# KiCad board FP Interface Card.kicad_pcb (continued)
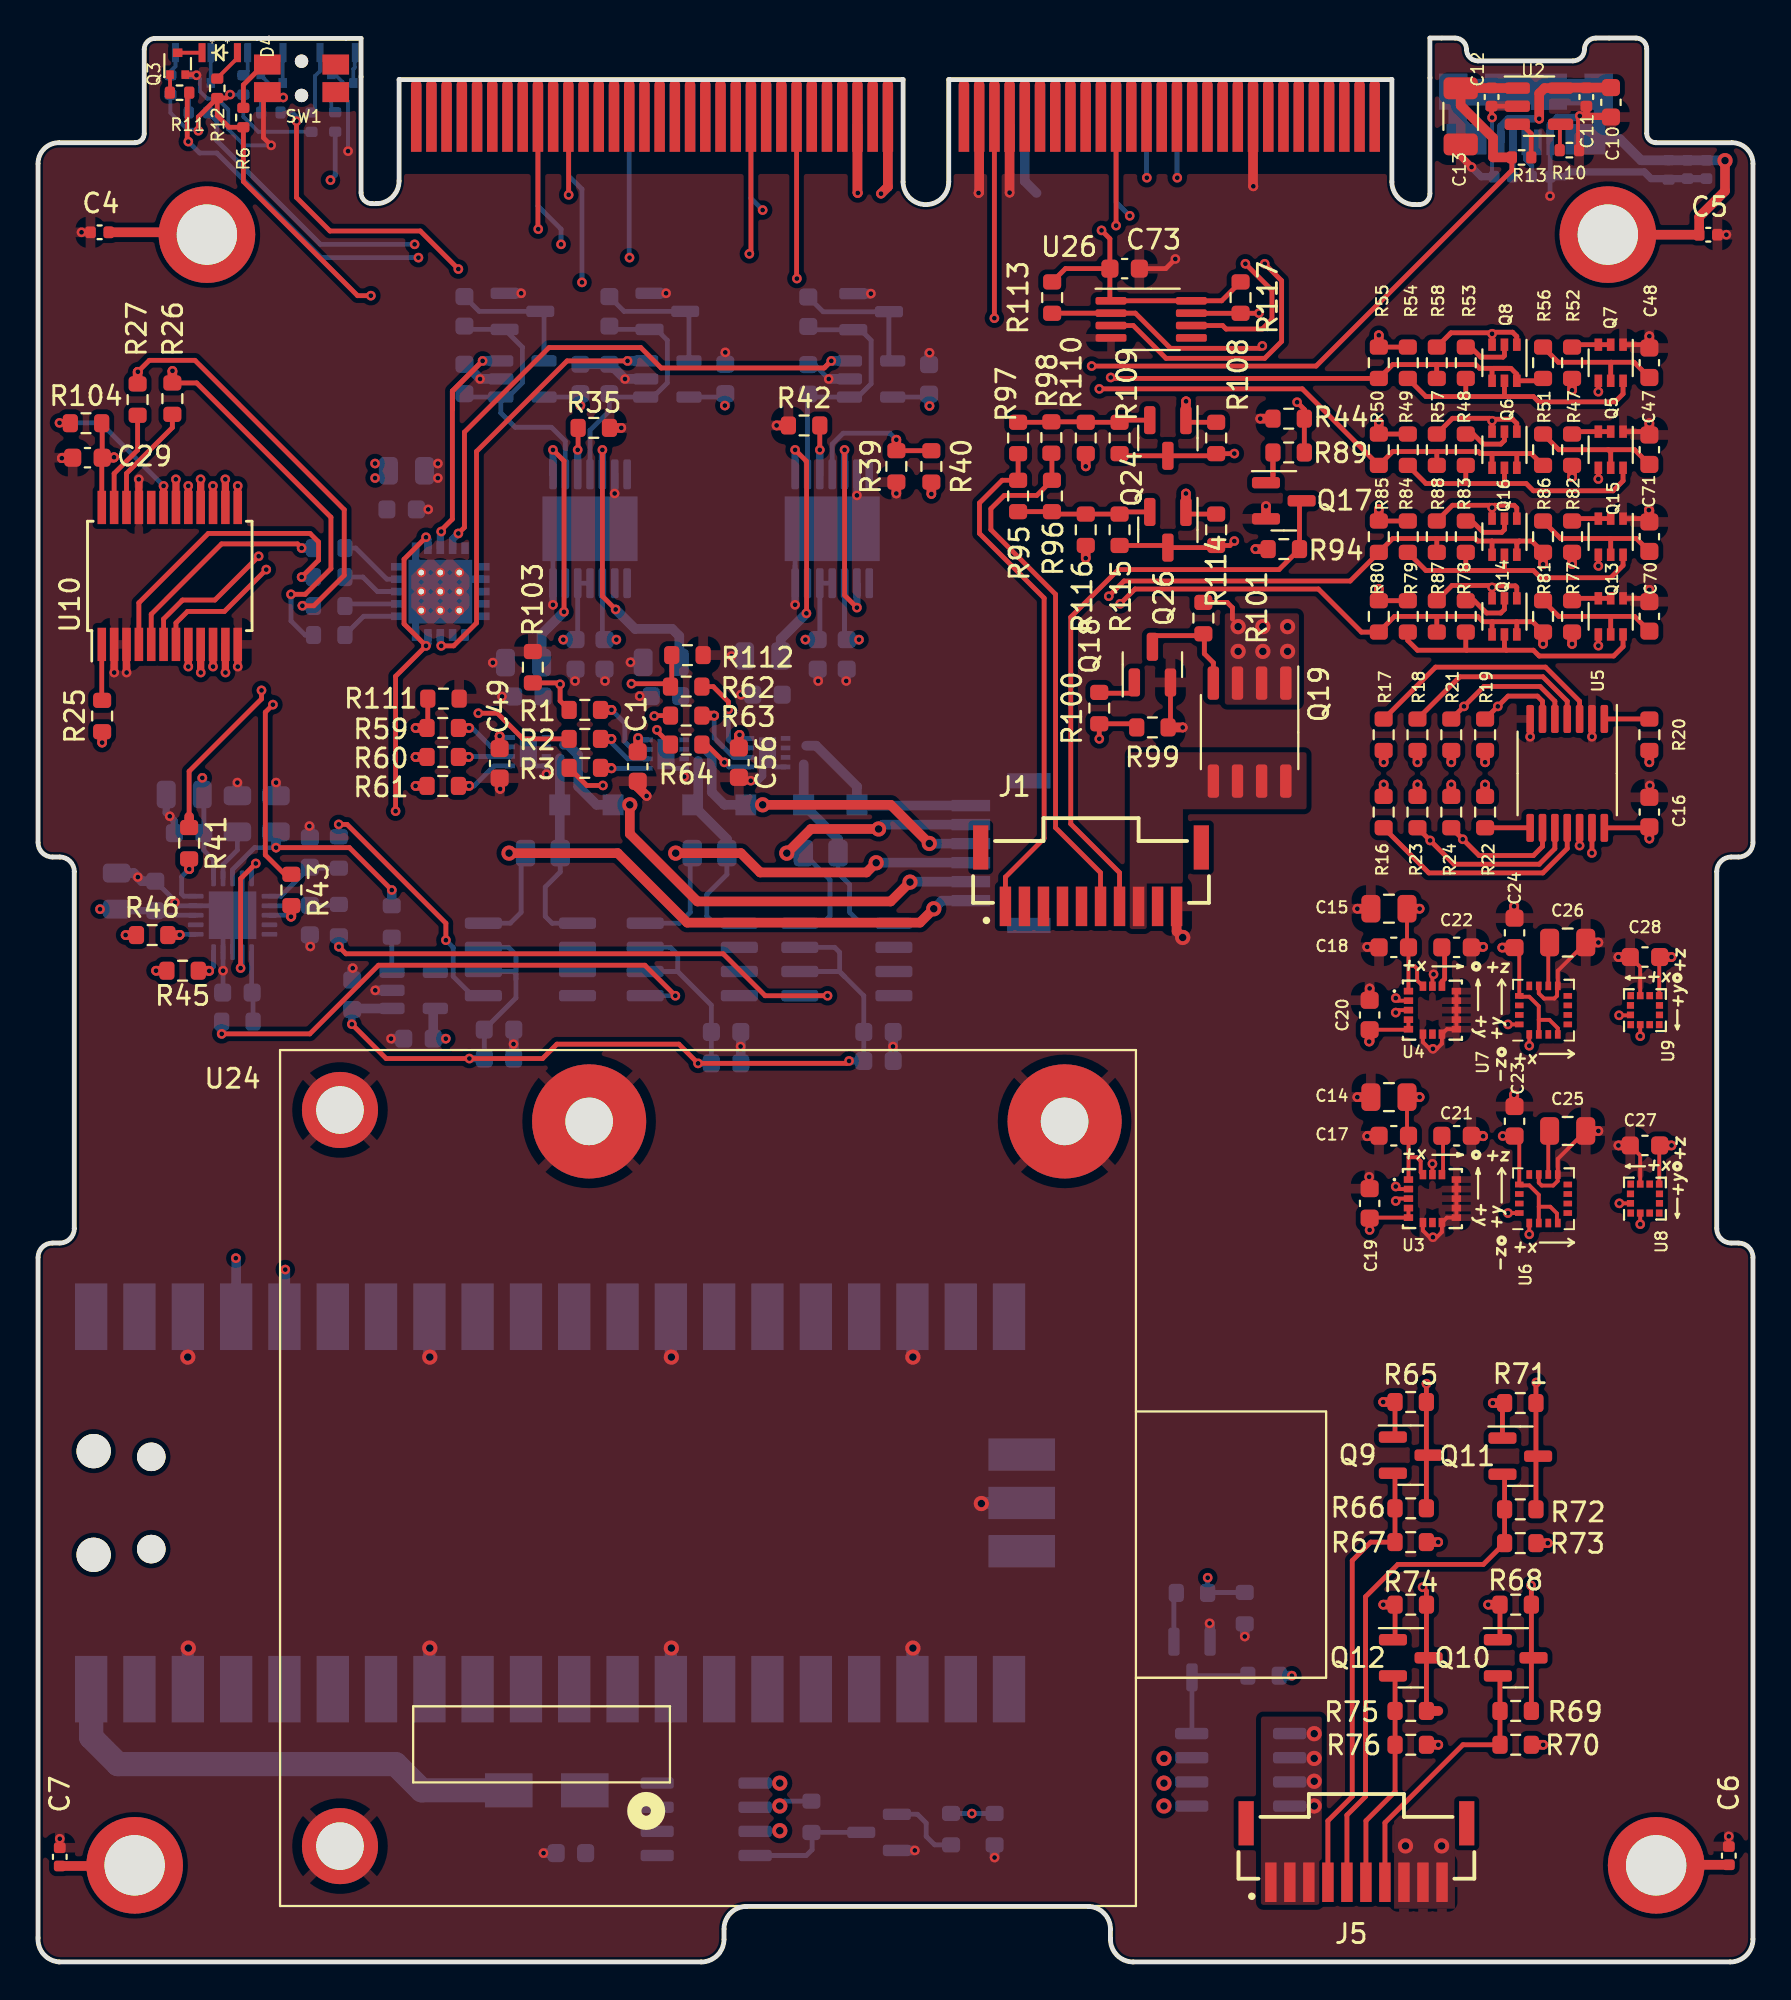
[diagram p0: board, top side]
## Routing (per net, layer and track width the routed paths; a pad name or vN(x,y) marks a point on that pad's centre or on a via; arc(x,y) is an arc through that point) (continued)
/IMU/SCL_IMU2: length 53.1
  Top w0.203: U8.12 v2(83.15,39.88) ; U6.1 v2(78.41,38.25) ; U3.2 71.52,40.63
  Top w0.254: U5.10 79.75,58.53 78.93,57.71 74.45,57.71 v2(73.2,58.96) R23.2
  In2.Cu w0.203: v2(83.15,39.88) 81.52,38.25 v2(78.41,38.25) 78.41,40.1 77.74,40.77 v2(71.39,40.77) 69.61,40.77 68.31,42.06 68.31,52.68 71.64,56.01 72.81,56.01 75.63,58.83 75.63,59.21 75.12,59.72 73.95,59.72 v2(73.2,58.96)
/IMU/SDA_IMU1: length 44
  Top w0.203: U9.2 v2(84.24,48.67) ; v2(71.39,49.91) 71.51,50.04 U4.3 ; U7.16 v2(77.29,49.29)
  Top w0.254: R21.2 v2(74.98,66.01) 76.02,67.06 78.98,67.06 79.75,66.28 U5.5
  In2.Cu w0.203: v2(84.24,48.67) 83.15,47.57 78.12,47.57 77.29,48.4 v2(77.29,49.29) 76.67,49.91 v2(71.39,49.91) 71.36,49.91 70.8,50.47 70.8,51 77.1,57.3 77.1,63.88 v2(74.98,66.01)
/IMU/SDA_IMU2: length 48.3
  Top w0.203: U8.2 v2(84.24,38.79) ; 71.51,40.13 U3.3 ; U6.16 v2(77.29,39.37)
  Top w0.254: U5.9 79.1,58.64 78.63,58.17 75.77,58.17 v2(74.91,59.02) R24.2
  In2.Cu w0.203: v2(84.24,38.79) 83.02,37.57 77.97,37.57 77.29,38.24 v2(77.29,39.37) 76.66,40 v2(71.39,40) 69.61,40 67.83,41.78 67.83,52.83 74.02,59.02 v2(74.91,59.02)
/Level Shifter 5/io_hi: length 6.8
  Top w0.254: Q24.2 56.98,81.06 ; R109.2 R110.2 ; R98.1 55.06,80.97 ; R97.1 53.26,80.94
/Level Shifter 6/io_hi: length 6.7
  Top w0.254: 53.44,76.12 R116.2 R115.2 ; R95.1 R96.1 ; Q26.2 56.98,76.23
/Magnetotorquer Drivers/ADC_ALERT/BUSY: length 25.3
  Top w0.254: R43.1 12.97,57.18 11.95,58.2 11.95,65.7 v2(12.35,66.1)
  Top w0.381: U10.18 7.25,77.94
  In2.Cu w0.254: v2(7.25,77.95) 7.25,73.6 12.35,68.5 v2(12.35,66.1)
/Magnetotorquer Drivers/DRV_EN_X: length 16.5
  Top w0.381: U10.9 8.55,67.79
  Top w0.508: R61.1 v2(19.85,61.83)
  In2.Cu w0.254: v2(8.56,67.79) 8.56,66.59 10.9,64.25 17.43,64.25 v2(19.85,61.83)
/Magnetotorquer Drivers/DRV_EN_Y: length 42.1
  Top w0.254: R3.1 28.85,61.85 v2(29.7,61.85)
  Top w0.381: U10.13 10.5,77.6 v2(10.5,77.6)
  In2.Cu w0.254: v2(29.7,61.85) 30.4,61.85 31.35,62.8 33,62.8 33.8,63.6 33.8,66.7 31.59,68.91 26.69,68.91 25.95,69.65 23.35,69.65 22.31,68.61 15.69,68.61 10.5,73.8 10.5,77.6 v2(10.5,77.6)
/Magnetotorquer Drivers/DRV_EN_Z: length 34.5
  Top w0.254: R64.1 32.54,64.71 v2(32.54,64.77)
  Top w0.381: U10.16 8.55,77.94
  In2.Cu w0.254: v2(32.54,64.77) 32.3,64.77 32.07,65 27.8,65 25.64,67.16 15.09,67.16 8.55,73.7 v2(8.55,77.95)
/Magnetotorquer Drivers/DRV_PH_X: length 20.6
  Top w0.381: v2(7.9,68.1) 7.9,68.1 U10.8
  Top w0.508: R60.1 v2(19.85,63.35)
  In2.Cu w0.254: v2(19.85,63.35) 20.65,62.55 20.65,61.6 20.15,61.1 19.65,61.1 17,63.75 10.7,63.75 7.9,66.55 v2(7.9,68.1)
/Magnetotorquer Drivers/DRV_PH_Y: length 21.5
  Top w0.254: v2(23.15,65.65) 24.15,65.65 25.5,64.3 R2.1
  Top w0.381: U10.11 9.85,67.79
  In2.Cu w0.254: v2(9.86,67.79) 9.86,67.19 11.55,65.5 23,65.5 v2(23.15,65.65)
/Magnetotorquer Drivers/DRV_PH_Z: length 32.5
  Top w0.254: v2(32.4,65.5) 32.42,65.52 R63.1
  Top w0.381: v2(9.2,77.6) 9.2,77.6 U10.15
  In2.Cu w0.254: v2(9.2,77.6) 9.2,73.69 15.28,67.61 25.94,67.61 27.1,66.45 30.55,66.45 31.42,65.58 32.32,65.58 v2(32.4,65.5)
/Magnetotorquer Drivers/Full Bridge 1/OUT2: length 10.5
  Bottom w0.254: U17.1 28.36,54.61 27.03,54.61 26.67,54.97 26.67,56.51 27.46,57.3 R32.1
  Bottom w0.508: 27.44,60.84 27.44,63.28 ; D6.1 27.43,58.32
/Magnetotorquer Drivers/Full Bridge 2/OUT2: length 10.9
  Bottom w0.254: U18.1 35.54,54.61 35.16,54.99 35.16,56.12 36.22,57.18 R33.1
  Bottom w0.508: D1.1 36.22,59.03 R33.1 ; 34.71,61.13 34.71,63.14
/Magnetotorquer Drivers/Full Bridge 3/OUT2: length 11.3
  Bottom w0.254: R34.1 42.06,57.25 42.67,56.64 42.67,55.18 43.24,54.61 U20.1
  Bottom w0.508: R34.1 42.06,59.03 D7.1 40.26,62.96
/Magnetotorquer Drivers/unused: length 11.1
  Top w0.254: v2(43.06,71.2) 42.41,71.85 v2(42.41,79.49)
  Bottom w0.381: v2(42.41,79.49) U15.5 ; U15.9 v2(43.06,71.2)
/Magnetotorquer Drivers/X_Drive: length 13.2
  Top w0.254: v2(27.65,70.98) 27.66,70.98 27.66,78.91 v2(27.07,79.49)
  Bottom w0.381: v2(27.07,79.49) U12.1
  Bottom w0.508: v2(27.65,70.98) 26.48,69.8 C51.1
/Magnetotorquer Drivers/X_sen: length 13.4
  Top w0.254: v2(21.45,53.72) 21.45,54.61 16.25,59.8 v2(15.81,59.8)
  Bottom w0.254: v2(15.81,59.8) 15.82,59.8 R36.2 ; v2(21.45,53.72) 21.83,53.33 21.83,51.81 22.84,50.8 23.42,50.8
/Magnetotorquer Drivers/X_Vs_2.5V: length 15
  Top w0.254: 21.79,81.61 21.79,82.59 23.37,84.17 v2(23.38,84.17) 21.79,82.58 21.79,81.61 ; 21.79,81.61 21.79,75.85 21.2,75.27 v2(21.2,75.2)
  Bottom w0.381: v2(21.2,75.2) 21.15,75.15 21.15,74.29
  Bottom w0.508: v2(23.38,84.17) U22.3
/Magnetotorquer Drivers/X_Vs_5V: length 14.5
  Bottom w0.254: U12.2 27.72,79.95 26.99,80.68 25.09,80.68 24.33,81.44 U22.1 22.6,82.27 ; 22.6,85.83 RN2.1 25.47,84.89 25.47,83.02 24.72,82.27
/Magnetotorquer Drivers/Y_Drive: length 15.3
  Top w0.254: v2(29.67,79.49) 29.67,71.8 v2(30.37,71.1)
  Bottom w0.381: v2(29.67,79.49) U12.5
  Bottom w0.508: C3.1 33.72,69.71 33.35,70.08 31.4,70.08 v2(30.37,71.1)
/Magnetotorquer Drivers/Y_sen: length 28.8
  Top w0.254: v2(9.66,48.79) 14.29,48.79 17.9,52.4 31.91,52.4 v2(33.51,50.8)
  Bottom w0.254: v2(33.51,50.8) 33.51,50.8 U18.5
  Bottom w0.381: 9.66,49.36 v2(9.66,48.79)
  Bottom w0.508: R37.2 v2(9.66,48.79)
/Magnetotorquer Drivers/Y_Vs_2.5V: length 22.9
  Top w0.254: v2(31,84.17) 27.82,84.17 23.06,79.41 23.06,70.39 21.85,69.19 v2(21.2,69.19)
  Bottom w0.381: v2(21.2,69.19) 21.15,69.24 21.15,69.79
  Bottom w0.508: U21.3 v2(31,84.17)
/Magnetotorquer Drivers/Y_Vs_5V: length 12.4
  Bottom w0.254: C63.1 30.04,81.54 29.02,80.52 U12.4 ; 32.34,82.27 33.09,83.02 33.09,85.25 32.51,85.83 ; RN1.1 30.22,85.83 ; U21.1 30.22,82.27
/Magnetotorquer Drivers/Z_drive: length 12.9
  Top w0.254: v2(40.4,70.9) 40.41,70.91 40.41,78.89 v2(39.81,79.49)
  Bottom w0.381: v2(39.81,79.49) U15.1
  Bottom w0.508: v2(40.4,70.9) 39.05,69.55 C58.1
/Magnetotorquer Drivers/Z_sen: length 28.8
  Top w0.254: v2(15.82,53.38) 16.19,53 36.03,53 38.23,50.8 v2(41.51,50.8)
  Bottom w0.254: v2(41.51,50.8) 41.51,50.8 U20.5
  Bottom w0.508: R38.2 v2(15.82,53.38)
/Magnetotorquer Drivers/Z_Vs_2.5V: length 29.6
  Top w0.254: v2(41.71,84.17) 41.34,83.8 32.76,83.8 31.69,84.87 26.87,84.87 22.42,80.43 22.42,75.42 v2(22.1,75.1) ; 41.7,84.17 41.33,83.8
  Bottom w0.381: v2(22.1,75.1) 21.8,74.8 21.8,74.29
  Bottom w0.508: v2(41.71,84.17) U23.3
/Magnetotorquer Drivers/Z_Vs_5V: length 12.2
  Bottom w0.254: U23.1 40.66,82.27 ; RN3.1 40.68,85.81 ; 43.11,82.27 43.8,82.97 43.8,85.25 43.25,85.81 ; U15.2 40.46,82.18
/Magnetotorquer Drivers/~{ADC_RST}: length 30.2
  Top w0.254: 7.94,60.21 7.94,62.59 11.75,66.4 v2(11.75,66.85)
  Top w0.381: v2(6.6,77.6) 6.6,77.6 U10.19 ; 1.7,80.91 v2(1.13,80.91)
  Top w0.508: R41.1 7.94,60.21
  In2.Cu w0.254: v2(11.75,66.85) 11.75,68.45 6.6,73.6 6.6,77.6 v2(6.6,77.6)
  Bottom w0.254: v2(1.13,80.91) 3.29,80.91 v2(6.6,77.6)
/Magnetotorquer Drivers/~{AMP_SHDN_XY}: length 32.8
  Top w0.254: U10.6 6.6,70.6 7.6,71.6 9.3,71.6 v2(11.6,73.9) ; v2(28.37,79.49) 28.4,79.51 R35.2
  In2.Cu w0.254: v2(11.6,73.9) 11.6,78.25 14.1,80.75 27.12,80.75 v2(28.37,79.49)
  Bottom w0.381: U12.3 v2(28.37,79.49)
/Magnetotorquer Drivers/~{AMP_SHDN_Z}: length 45
  Top w0.254: v2(41.11,79.49) 41.1,79.5 R42.2 ; U10.7 7.25,70.4 7.86,71 9.8,71 v2(12,73.2)
  In2.Cu w0.254: v2(12,73.2) 12.55,73.75 12.55,78.05 14.6,80.1 25,80.1 26.35,78.75 40.36,78.75 v2(41.11,79.49)
  Bottom w0.381: v2(41.11,79.49) U15.3
/Magnetotorquer Drivers/~{DAC_LAT0}: length 16.2
  Top w0.254: v2(13.86,72.81) 14.75,73.7 14.75,74.65 14.3,75.1 8.95,75.1 5.3,71.45 U10.4
  Bottom w0.508: R30.1 v2(13.86,72.81)
/Magnetotorquer Drivers/~{DAC_LAT1}: length 11.7
  Top w0.254: U10.5 5.95,70.85 9.65,74.55 13.64,74.55 v2(13.86,74.33)
  Bottom w0.508: R31.1 v2(13.86,74.33)
/Magnetotorquer Drivers/~{DRV_SLP_X}: length 16.1
  Top w0.254: R111.1 20.49,64.91 R59.1
  Top w0.381: v2(9.2,68.1) 9.2,68.1 U10.10
  Top w0.508: R59.1 v2(19.85,64.87)
  In2.Cu w0.254: v2(9.2,68.1) 9.2,66.8 11.13,64.87 v2(19.85,64.87)
/Magnetotorquer Drivers/~{DRV_SLP_Y}: length 29.8
  Top w0.254: R103.1 27.38,67.24 v2(27.45,67.17) 27.45,66.3 R1.1
  Top w0.381: U10.14 9.85,77.94
  In2.Cu w0.254: v2(9.85,77.95) 9.85,73.69 15.39,68.15 22.75,68.15 23.65,69.05 25.57,69.05 v2(27.45,67.17)
/Magnetotorquer Drivers/~{DRV_SLP_Z}: length 43.2
  Top w0.254: v2(31.2,67.2) 33.1,67.2 ; R112.1 33.32,67.11 R62.1
  Top w0.381: U10.17 7.9,77.6 v2(7.9,77.6)
  In2.Cu w0.254: v2(7.9,77.6) 7.9,73.7 15.4,66.2 23.75,66.2 26.45,63.5 32.75,63.5 33.2,63.95 33.2,66.5 32.5,67.2 v2(31.2,67.2)
/P_RESET: length 23.6
  Top w0.254: 71.35,25.58 R66.2 R67.2 70.07,22.07 69.1,21.1 69.1,8.7 67.82,7.42 J5.4
/P_RXD: length 11.4
  Top w0.254: J5.6 69.82,7.42 71.35,8.95 R76.2 R75.2 71.35,14.93
/P_TXD: length 27.4
  Top w0.254: 77.11,25.53 R72.2 R73.2 75.99,20.9 71.5,20.9 69.8,19.2 69.8,8.7 68.82,7.72 J5.5
/PAYLOAD_5V:
  vias: v1(67.1,12) v1(67.1,10.7) v1(67.1,9.5) v1(67.1,8.2)
/PAYLOAD_PWR_SW: length 2.4
  Bottom w0.254: Q22.1 59.72,19.27
/Pico/RB_PWR_SW_B: length 3.9
  Bottom w0.254: R91.2 47.15,6.15 46.7,6.6 46.7,7.3 46.24,7.76 Q20.1
/RB_OnOff: length 32.2
  Top w0.254: J1.7 56.87,57.26 54.3,59.83 54.3,70.7 56.8,73.2 65.25,73.2 R94.2 66.33,76.7
/RB_PWR_SW_B: length 1.8
  Top w0.254: 57.6,66.7 55.84,66.7
/RB_RxD: length 27.4
  Top w0.254: R97.2 R95.2 50.7,77.9 49.5,76.7 49.5,75.1 52.9,71.7 52.9,59.07 50.87,57.03 J1.1
/RB_TxD: length 28.5
  Top w0.254: J1.6 55.87,57.26 53.5,59.63 53.5,71.9 50.1,75.3 50.1,76.4 50.8,77.1 52.51,77.1 R96.2 53.31,79.29
/SCL_IMU: length 112.2
  Top w0.254: 73.6,70.74 71.32,70.74 R80.2 69.59,69.91 67.32,72.18 57.68,72.18 v2(56.9,71.4) ; 73.6,70.74 73.55,70.69 R87.1 ; 73.6,70.74 75.69,70.74 75.97,70.46 76.47,70.46 ; Q14.4 76.45,70.45 76.47,70.46 ; U5.12 v2(81.05,58.69) ; 76.47,70.46 77.74,70.46 ; 77.74,70.46 78.59,70.46 R81.1 ; 77.74,70.46 77.75,70.44 Q14.6
  Top w0.508: R81.1 v2(79.13,69.29)
  In2.Cu w0.254: v2(56.9,71.4) 48.8,63.3 48.8,44.3 40.9,36.4 v2(13,36.4) ; v2(79.13,69.29) 79.13,60.61 v2(81.05,58.69)
  Bottom w0.508: v2(13,36.4) 13,33.07
/SCL_Magnetotorquers: length 133.6
  Top w0.254: R57.1 73.55,79.36 73.59,79.41 ; 76.44,79.3 75.83,79.3 75.72,79.41 73.59,79.41 ; 76.44,79.3 76.45,79.29 Q6.4 ; 76.44,79.3 78.51,79.3 R51.1 ; v2(7.07,83.65) 7.06,83.64 R26.1 8.34,83.01 15.4,75.95 15.4,73.25 14.05,71.9 v2(13.3,71.9) ; 77.75,79.22 77.75,78.69 ; 73.59,79.41 71.23,79.41 R50.2 66.48,82.7 v2(55.8,82.7)
  Top w0.508: R26.1 7.06,83.62 7.07,83.62 ; R46.1 v2(4.6,53.99)
  In2.Cu w0.254: v2(4.6,53.99) 4.6,58.55 1.5,61.65 1.5,77.8 4.5,80.8 4.5,83.8 4.9,84.2 6.52,84.2 v2(7.07,83.65) 8.22,82.5 55.6,82.5 v2(55.8,82.7)
  Bottom w0.254: R28.1 14.04,69.76 13.3,70.5 v2(13.3,71.9)
/SCL_SYS: length 23.7
  Top w0.254: v2(64.5,89.28) 65.39,88.39 65.39,85.19 64.5,84.31 59.31,84.31 57.58,86.03 U26.3
  In2.Cu w0.254: v2(64.5,89.28) 59.98,93.8 v2(59.9,93.8)
  Bottom w0.254: v2(59.9,93.8) 59.88,93.82 P1.93
/SDA_IMU: length 120.4
  Top w0.254: Q16.6 77.75,74.56 77.89,74.7 ; v2(56.3,71.8) 57.1,72.6 68.99,72.6 R85.2 71.23,74.83 73.51,74.83 ; R88.1 73.55,74.8 73.51,74.83 ; Q16.4 76.45,74.69 76.44,74.7 ; 77.89,74.7 78.54,74.7 R86.1 ; 77.89,74.7 76.44,74.7 ; v2(81.7,58.3) 81.7,58.3 U5.13 ; 76.44,74.7 75.7,74.7 75.56,74.83 73.51,74.83
  Top w0.508: R86.1 v2(79.13,73.48)
  In2.Cu w0.254: v2(10.4,37) 40.7,37 48.2,44.5 48.2,63.7 v2(56.3,71.8) ; v2(79.13,73.48) 79.77,72.85 79.77,61.21 81.7,59.28 v2(81.7,58.3)
  Bottom w0.508: v2(10.4,37) 10.41,36.99 U25.4
/SDA_Magnetotorquers: length 137.4
  Top w0.254: 73.54,83.98 71.23,83.98 R55.2 56.45,83.25 v2(56.4,83.3) ; 73.54,83.98 75.6,83.98 75.8,83.78 77.31,83.78 ; 73.54,83.98 73.54,83.26 ; v2(5.25,83.6) 5.85,84.2 8.25,84.2 16.1,76.35 16.1,72.9 14.5,71.3 v2(13.9,71.3) ; 77.31,83.78 77.44,83.78 77.75,83.47 Q8.6 79.01,83.12 ; 77.31,83.78 76.53,83.78 76.45,83.7 Q8.4
  Top w0.508: R27.1 5.24,83.59 v2(5.25,83.6) ; R45.1 v2(6.2,52.11)
  In2.Cu w0.254: v2(6.2,52.11) 6.2,57.75 2.05,61.9 2.05,76.4 5.25,79.6 v2(5.25,83.6) 7.62,81.23 30.91,81.23 32.04,80.1 43.1,80.1 44.2,81.2 55.6,81.2 56.4,82 v2(56.4,83.3)
  Bottom w0.508: v2(13.9,71.3) 14.47,71.3
/SDA_SYS: length 17.8
  Top w0.254: U26.6 62.28,86.03 62.47,85.85 64.37,85.85 64.88,86.36 64.88,87.88 v2(63.48,89.28)
  In2.Cu w0.254: v2(58.3,93.8) 58.96,93.8 v2(63.48,89.28)
  Bottom w0.254: v2(58.3,93.8) 58.28,93.82 P1.89
/SERVO_PWR_CTRL: length 14.4
  Top w0.254: 76.87,14.93 R69.2 R70.2 74.92,11.42 70.82,7.32 J5.7
/SW_NO: length 2.7
  Top w0.254: R6.2 10.8,98.68 11.87,99.75
/USB_D+: length 1.9
  Bottom w0.254: J3.3 78.21,94.77 78.54,94.43 Z1.1
/USB_D-: length 1.8
  Bottom w0.254: J3.2 77.56,93.89
/X+: length 27.1
  Top w0.508: v1(45.85,56.77) 44.83,55.75 34.67,55.75 31.12,59.31 v1(31.12,60.83)
  Bottom w0.508: v1(31.12,60.83) D6.2 29.37,60.83 28.4,61.8 28.4,63.45 27.86,63.99 27.65,63.99 ; v1(45.85,56.77) 45.87,56.79 J4.2
/X-: length 32.2
  Top w0.508: v1(24.77,58.29) 30.48,58.29 34.13,54.64 46.37,54.64 v1(47.1,55.37)
  Bottom w0.254: 25.4,58.06 25.4,55.18 24.83,54.61 23.42,54.61
  Bottom w0.508: J4.1 47.52,55.79 v1(47.1,55.37) ; R32.2 v1(24.77,58.29)
/Y+: length 17.4
  Top w0.508: 37.97,60.83 44.83,60.83 v1(46.86,58.8)
  Bottom w0.508: v1(46.86,58.8) 46.87,58.79 J4.4 ; v1(38.1,60.83) D1.2 36.09,60.83 35.42,61.5 35.42,63.43 35.03,63.83
/Y-: length 22.6
  Top w0.508: v1(33.53,58.29) 36.96,58.29 37.97,57.28 43.56,57.28 v1(44.07,57.78)
  Bottom w0.254: 34.29,58.19 34.29,55.18 33.72,54.61 U18.8
  Bottom w0.508: v1(44.07,57.78) 44.08,57.79 J4.3 ; R33.2 v1(33.53,58.29)
/Z+: length 10.5
  Bottom w0.508: 40.39,63.94 40.91,63.94 43.06,61.79 D7.2 ; J4.6 43.1,60.79
/Z-: length 16.8
  Top w0.508: v1(39.37,58.29) 40.64,59.56 v1(44.2,59.56)
  Bottom w0.254: U20.8 40.06,54.61 41.26,54.61 41.64,54.99 41.64,56.89 R34.2
  Bottom w0.508: J4.5 44.43,59.79 v1(44.2,59.56) ; R34.2 v1(39.37,58.29)
/~{USB_EN}: length 1.4
  Top w0.203: 80.02,96.61 80.02,95.26
/~{USB_FLAG}: length 1.9
  Top w0.254: 78.01,96.61 78.51,96.11 R13.2
Net-(C10-Pad1): length 8.2
  Top w0.508: C10.1 80.05,98.54 ; 80.02,98.51 79.21,98.51 78.93,98.23 v2(78.93,96.9)
  Bottom w0.381: v2(78.93,96.9) 77.3,96.9 76.91,96.51 J3.1
Net-(C21-Pad1): length 1.9
  Top w0.203: 73.87,41.45 73.87,43.37
Net-(C22-Pad1): length 2
  Top w0.254: 73.82,51.3 73.82,51.54 73.96,51.68 73.96,53.19
Net-(C25-Pad1): length 2.2
  Top w0.203: U6.10 79.41,43.62
Net-(C26-Pad1): length 2.2
  Top w0.203: U7.10 79.41,53.52
Net-(C34-Pad2): length 4.2
  Bottom w0.25: C34.2 12.77,56.03 U14.6 ; R36.1 14.34,57.5
Net-(C37-Pad2): length 3.6
  Bottom w0.25: R37.1 11.31,50.91 ; U14.11 11.23,50.99
Net-(C42-Pad2): length 3.6
  Bottom w0.25: U14.7 14.27,55.53 ; C42.2 15.77,55.55
Net-(C46-Pad1): length 2.8
  Bottom w0.25: U14.2 9.73,57.7 10.48,58.46 C46.1
Net-(C47-Pad1): length 7.3
  Top w0.254: 82.56,79.5 83.95,79.5 C47.1 ; 82.56,79.5 79.96,79.5 R51.2 ; 82.56,79.5 82.69,79.37 Q5.5
Net-(C48-Pad1): length 7.2
  Top w0.254: 82.72,84.1 79.93,84.1 R56.2 ; 82.72,84.1 83.92,84.1 C48.1 ; 82.72,84.1 82.69,84.07 Q7.5
Net-(C62-Pad2): length 7
  Bottom w0.254: C62.2 30.82,86.78 RN1.3 34.23,86.58 U21.4
Net-(C65-Pad2): length 7
  Bottom w0.254: C65.2 23.2,86.78 RN2.3 26.61,86.58 U22.4
Net-(C68-Pad2): length 7.2
  Bottom w0.254: U23.4 44.74,84.37 RN3.3 41.28,86.76 C68.2
Net-(C70-Pad1): length 7.2
  Top w0.254: C70.1 83.95,70.74 82.64,70.74 ; R81.2 79.96,70.74 82.64,70.74 ; 82.64,70.74 82.69,70.69 Q13.5
Net-(C71-Pad1): length 7.1
  Top w0.254: 82.66,74.83 84.04,74.83 C71.1 ; 82.66,74.83 82.69,74.8 Q15.5 ; 82.66,74.83 80.05,74.83 R86.2
Net-(D2-Pad1): length 1.6
  Bottom w0.203: Q1.3 D2.1
Net-(D2-Pad2): length 1.3
  Bottom w0.203: R7.2 6.96,99.39 7.22,99.65 D2.2
Net-(D3-Pad1): length 1.6
  Bottom w0.203: Q2.3 12.87,100.36
Net-(D3-Pad2): length 1.3
  Bottom w0.203: R9.2 11.02,99.42 D3.2
Net-(D4-Pad1): length 1.3
  Top w0.203: Q3.3 8.62,100.37
Net-(D4-Pad2): length 1.5
  Top w0.203: 9.42,99.03 10.48,100.09
Net-(D5-Pad1): length 1.6
  Bottom w0.203: 16.65,100.38 16.65,99.59 16.58,99.52 Q4.3
Net-(D5-Pad2): length 3.3
  Bottom w0.203: R15.2 14.56,97.42 14.56,99.14 14.82,99.41 D5.2
Net-(D8-Pad1): length 26.5
  Bottom w1.27: U25.40 2.79,11.81 4.2,10.4 18.8,10.4 20.18,9.02 D8.1
Net-(Q1-Pad1): length 1.1
  Bottom w0.203: Q1.1 7.93,97.24
Net-(Q2-Pad1): length 1.1
  Bottom w0.203: Q2.1 11.72,97.25
Net-(Q3-Pad1): length 0.9
  Top w0.203: Q3.1 6.94,98.28
Net-(Q4-Pad1): length 1.1
  Bottom w0.203: 15.42,97.23 15.42,98.37
Net-(Q5-Pad2): length 1.9
  Top w0.254: 80.78,80.45 Q5.3 Q5.2
Net-(Q5-Pad6): length 14.6
  Top w0.254: R48.2 75.07,77.72 ; 75.07,77.72 72.98,77.72 R49.2 ; 75.07,77.72 77.1,77.72 ; Q5.6 83.34,77.87 82.82,77.34 78.63,77.34 78.25,77.72 77.1,77.72 ; Q6.5 77.1,77.72
Net-(Q6-Pad2): length 2.8
  Top w0.254: Q6.2 77.1,79.98 76.91,79.8 75.99,79.8 75.46,80.33 R48.1
Net-(Q7-Pad2): length 1.9
  Top w0.254: Q7.2 80.78,85.02
Net-(Q7-Pad6): length 14.5
  Top w0.254: R53.2 75.07,82.3 ; 75.07,82.3 77.1,82.3 ; 75.07,82.3 72.98,82.3 R54.2 ; Q8.5 77.1,82.3 ; 77.1,82.3 78.63,82.3 78.91,82.02 82.92,82.02 83.34,82.44 Q7.6
Net-(Q8-Pad2): length 2.6
  Top w0.254: 75.32,84.9 75.85,84.37 77.03,84.37 77.1,84.44 Q8.2
Net-(Q13-Pad2): length 1.9
  Top w0.254: Q13.2 Q13.3 80.78,71.69
Net-(Q13-Pad6): length 14.8
  Top w0.254: 75.12,68.96 72.53,68.96 72.02,69.47 R79.2 ; 75.12,68.96 77.2,68.96 ; 75.12,68.96 75.07,69.01 R78.2 ; 77.2,68.96 78.63,68.96 78.93,68.66 82.84,68.66 83.34,69.15 Q13.6 ; 77.2,68.96 77.1,69.06 Q14.5
Net-(Q14-Pad2): length 3
  Top w0.254: Q14.2 77.1,71.11 76.91,70.92 76.16,70.92 75.52,71.56 R78.1
Net-(Q15-Pad2): length 1.9
  Top w0.254: Q15.2 Q15.3 80.78,75.88
Net-(Q15-Pad6): length 14.5
  Top w0.254: 77.1,73.15 78.63,73.15 79.01,72.77 82.69,72.77 83.34,73.42 Q15.6 ; 77.1,73.15 75.07,73.15 ; 77.1,73.15 Q16.5 ; R83.2 75.07,73.15 ; 75.07,73.15 72.98,73.15 R84.2
Net-(Q16-Pad2): length 2.6
  Top w0.254: Q16.2 77.1,75.3 76.96,75.16 75.98,75.16 75.39,75.75
Net-(Q17-Pad1): length 2.6
  Top w0.254: 64.93,77.93 R89.2 64.93,78.13
Net-(Q18-Pad3): length 5.3
  Top w0.254: Q19.4 61.8,68.3 61.32,68.78 61.32,69.73 58.73,69.73
Net-(Q20-Pad3): length 6.6
  Bottom w0.254: Q20.3 40.67,6.81 ; 40.7,6.77 40.7,5.9 40.4,5.59 Q21.4
Net-(Q22-Pad3): length 5.8
  Bottom w0.254: R107.2 60.76,15.05 ; Q22.3 60.67,12.02
Net-(R1-Pad2): length 3.9
  Top w0.508: 29.58,65.82 30.15,65.82 v2(30.15,65.83)
  Bottom w0.254: v2(30.15,65.83) 30.85,65.13 30.85,64.15 31.25,63.75 U1.7
Net-(R2-Pad2): length 3
  Top w0.508: 29.58,64.3 v2(30.15,64.3)
  Bottom w0.254: v2(30.15,64.3) 30.15,64.1 31,63.25 U1.6
Net-(R3-Pad2): length 2.5
  Top w0.508: 29.58,62.78 30.12,62.78 v2(30.15,62.75)
  Bottom w0.254: U1.5 v2(30.15,62.75)
Net-(R16-Pad2): length 12.3
  Top w0.254: R16.2 73.13,57.25 79.12,57.25 80.4,58.54 U5.11
Net-(R17-Pad2): length 13.1
  Top w0.254: R17.2 73.48,68.07 79.26,68.07 81.05,66.28 U5.3
Net-(R18-Pad2): length 10.3
  Top w0.254: U5.4 80.4,66.28 79.12,67.56 74.75,67.56 R18.2
Net-(R20-Pad2): length 2.4
  Top w0.254: U5.1 84.72,65.35
Net-(R22-Pad2): length 2.4
  Top w0.254: R22.2 78.45,59.63
Net-(R25-Pad2): length 2.9
  Top w0.25: 3.35,66.34 U10.1
Net-(R26-Pad2): length 5.9
  Top w0.254: R26.2 7.06,80.67 4.65,78.26 U10.22
Net-(R27-Pad2): length 5.4
  Top w0.254: U10.23 4,78.25 5.24,79.49 R27.2
Net-(R28-Pad2): length 3.2
  Bottom w0.254: R28.2 17.12,70.74 18.9,70.74
Net-(R29-Pad2): length 2.7
  Bottom w0.254: 18.9,71.39 16.25,71.39
Net-(R30-Pad2): length 3.1
  Bottom w0.254: R30.2 17.09,72.81 17.85,72.04 18.9,72.04
Net-(R31-Pad2): length 3.4
  Bottom w0.254: 18.9,72.69 18.34,72.69 16.71,74.33 R31.2
Net-(R39-Pad2): length 7.8
  Top w0.254: R40.1 46.97,79.45
  Top w0.508: R40.1 v2(45.13,80.03)
  Bottom w0.254: v2(45.13,80.03) 44.79,80.37 42.33,80.37 41.76,79.79 U15.4
Net-(R41-Pad2): length 2.8
  Top w0.508: v2(7.95,57.45) 7.94,57.46 R41.2
  Bottom w0.25: 7.55,56.15 7.67,56.03 U14.20
  Bottom w0.254: v2(7.95,57.45) 7.55,57.05 7.55,56.15
Net-(R43-Pad2): length 1.8
  Top w0.508: R43.2 13.32,54.97 v2(13.3,54.95)
  Bottom w0.254: U14.8 13.22,55.03 v2(13.3,54.95)
Net-(R45-Pad2): length 2.2
  Top w0.508: v2(9,52.1) 8.99,52.11 R45.2
  Bottom w0.25: U14.15 9.23,52.57
  Bottom w0.254: v2(9,52.1) 9.23,52.33 U14.15
Net-(R46-Pad2): length 1.5
  Top w0.508: R46.2 7.44,53.99 v2(7.45,54)
  Bottom w0.25: U14.16 7.45,54.03
Net-(R59-Pad2): length 3.1
  Top w0.508: v2(22.67,64.87) R59.2
  Bottom w0.254: U16.7 23.82,63.88 22.83,64.87 v2(22.67,64.87)
Net-(R60-Pad2): length 2.7
  Top w0.508: v2(22.65,63.35) R60.2
  Bottom w0.254: U16.6 22.68,63.38 v2(22.65,63.35)
Net-(R61-Pad2): length 3.2
  Top w0.508: v2(22.67,61.83) 22.11,61.83
  Bottom w0.254: v2(22.67,61.83) 22.93,61.83 23.98,62.88 U16.5
Net-(R62-Pad2): length 5
  Top w0.254: v2(36.3,65.85) 36.3,66.25 35.5,67.05 R62.2
  Bottom w0.254: v2(36.3,65.85) 36.3,64.25 36.73,63.82 U19.7
Net-(R63-Pad2): length 4.1
  Top w0.508: v2(35.55,65.52) 35.55,65.52 R63.2
  Bottom w0.254: U19.6 36.58,63.32 35.55,64.35 v2(35.55,65.52)
Net-(R64-Pad2): length 2.7
  Top w0.254: v2(36.09,63.06) 35.15,64
  Bottom w0.254: U19.5 36.33,62.82 v2(36.09,63.06)
Net-(R93-Pad2): length 1.8
  Bottom w0.254: R93.2 18.6,52.04
Net-(U14-Pad12): length 7.6
  Top w0.254: v2(10.65,52.25) 10.65,56.95 v2(11.45,57.75)
  Bottom w0.254: v2(10.65,52.25) 10.73,52.33 U14.12 ; v2(11.45,57.75) 11.23,57.53 U14.5

## Copper pours and planes (outline as drawn; the poured copper is in the pictures)
3.3V on Bottom: 19.19,73.06 19.19,79.66 17.21,79.66 17.21,73.82 17.98,73.06
3.3V on In3.Cu: 17,94 73,94 73,101 90,101 90,0 0,0 0,101.09 17,101.13
5V_RF on Top: 66.3,66.1 62.4,66.1 62.4,70.9 66.3,70.9
5V_RF on Bottom: 68.5,65 51.6,65.1 51.5,78.5 51.5,94.5 53,94.5 54,93.75 68.5,93.75
+5V on Bottom: 36.3,10 39.5,10 39.5,6.3 36.3,6.3
+5V on Bottom: 61.9,7.6 58.7,7.6 58.7,11.3 61.9,11.3
+5V on In1.Cu: 44.96,92.5 46,91.5 51.5,91.5 68.5,91.48 68.5,64.5 68.5,36.5 80,36.5 80,1.5 58,1.5 58,4 34.5,4 34.5,11.5 55.5,11.5 56,53 24,53 24,90 32.1,90 36,94.5 44.96,94.5
GND on Top, Bottom: 74.5,2.8 71.3,2.8 71.3,7.7 74.5,7.7
GND on Top, Bottom, In1.Cu, In2.Cu, In4.Cu: 17,94 73,94 73,101 90,101 90,0 0,0 0,101.09 17,101.13
GND on Bottom: 20.08,74.1 20.08,75.42 21.84,75.42 21.84,79.66 19.37,79.66 19.37,74.13
/Magnetotorquer Drivers/X_Drive on Bottom: 27.13,69.04 25.96,69.04 25.96,64.7 26.47,64.7 26.47,64.24 27.13,64.24
/Magnetotorquer Drivers/X_Drive on Bottom: 27.7,70.67 27.93,70.9 27.93,73.26 27.52,73.26 27.53,71.21 26.99,70.67
/Magnetotorquer Drivers/Y_Drive on Bottom: 30.12,71 30.47,70.65 30.52,71.31 30.52,73.26 30.12,73.26 30.13,71.49 30.12,71.49
/Magnetotorquer Drivers/Y_Drive on Bottom: 34.35,69.09 33.18,69.09 33.18,64.56 33.69,64.56 33.69,64.11 34.35,64.11
/Magnetotorquer Drivers/Z_drive on Bottom: 40.66,70.98 40.66,73.29 40.23,73.29 40.23,70.67
/Magnetotorquer Drivers/Z_drive on Bottom: 39.67,69.44 38.51,69.44 38.51,64.64 39.01,64.64 39.01,64.18 39.67,64.18
/PAYLOAD_5V on Top, Bottom: 67.5,3 64.3,3 64.3,12.9 67.5,12.9
/RB_5V_IN on Top: 66.7,60.6 60.2,60.6 60.2,56.7 58.3,56.7 58.3,54.3 57.4,54.3 57.4,63.6 66.7,63.6
Net-(C72-Pad1) on Bottom: 33.8,4.7 28,4.7 28,6.9 26.9,6.9 26.9,10.5 33.8,10.5

Small or netless copper shapes (teardrops, artwork), in the pictures only: 6 on Bottom

## Text on the board
B.Silkscreen: Foras Promineo / Payload Interface Board / C.Hillis / 2/21
User.Comments: Add 45deg chamfer to the gold fingers / Fabricate with leaded solder | Copper Layer Count: | Board overall dimensions: | Min track/spacing: | Copper Finish: | Castellated pads: | Edge card connectors: | 6 | 90.1700 mm x 101.1445 mm | 0.2032 mm / 0.1524 mm | ENIG | No | Yes | Board Thickness: | Min hole diameter: | Impedance Control: | Plated Board Edge: | 1.6000 mm | 0.2000 mm | NOTES | BOARD CHARACTERISTICS
F.Mask: HILLIS
